# Altium PCB top_LM358.PcbDoc (part 1 of 6) (continued)
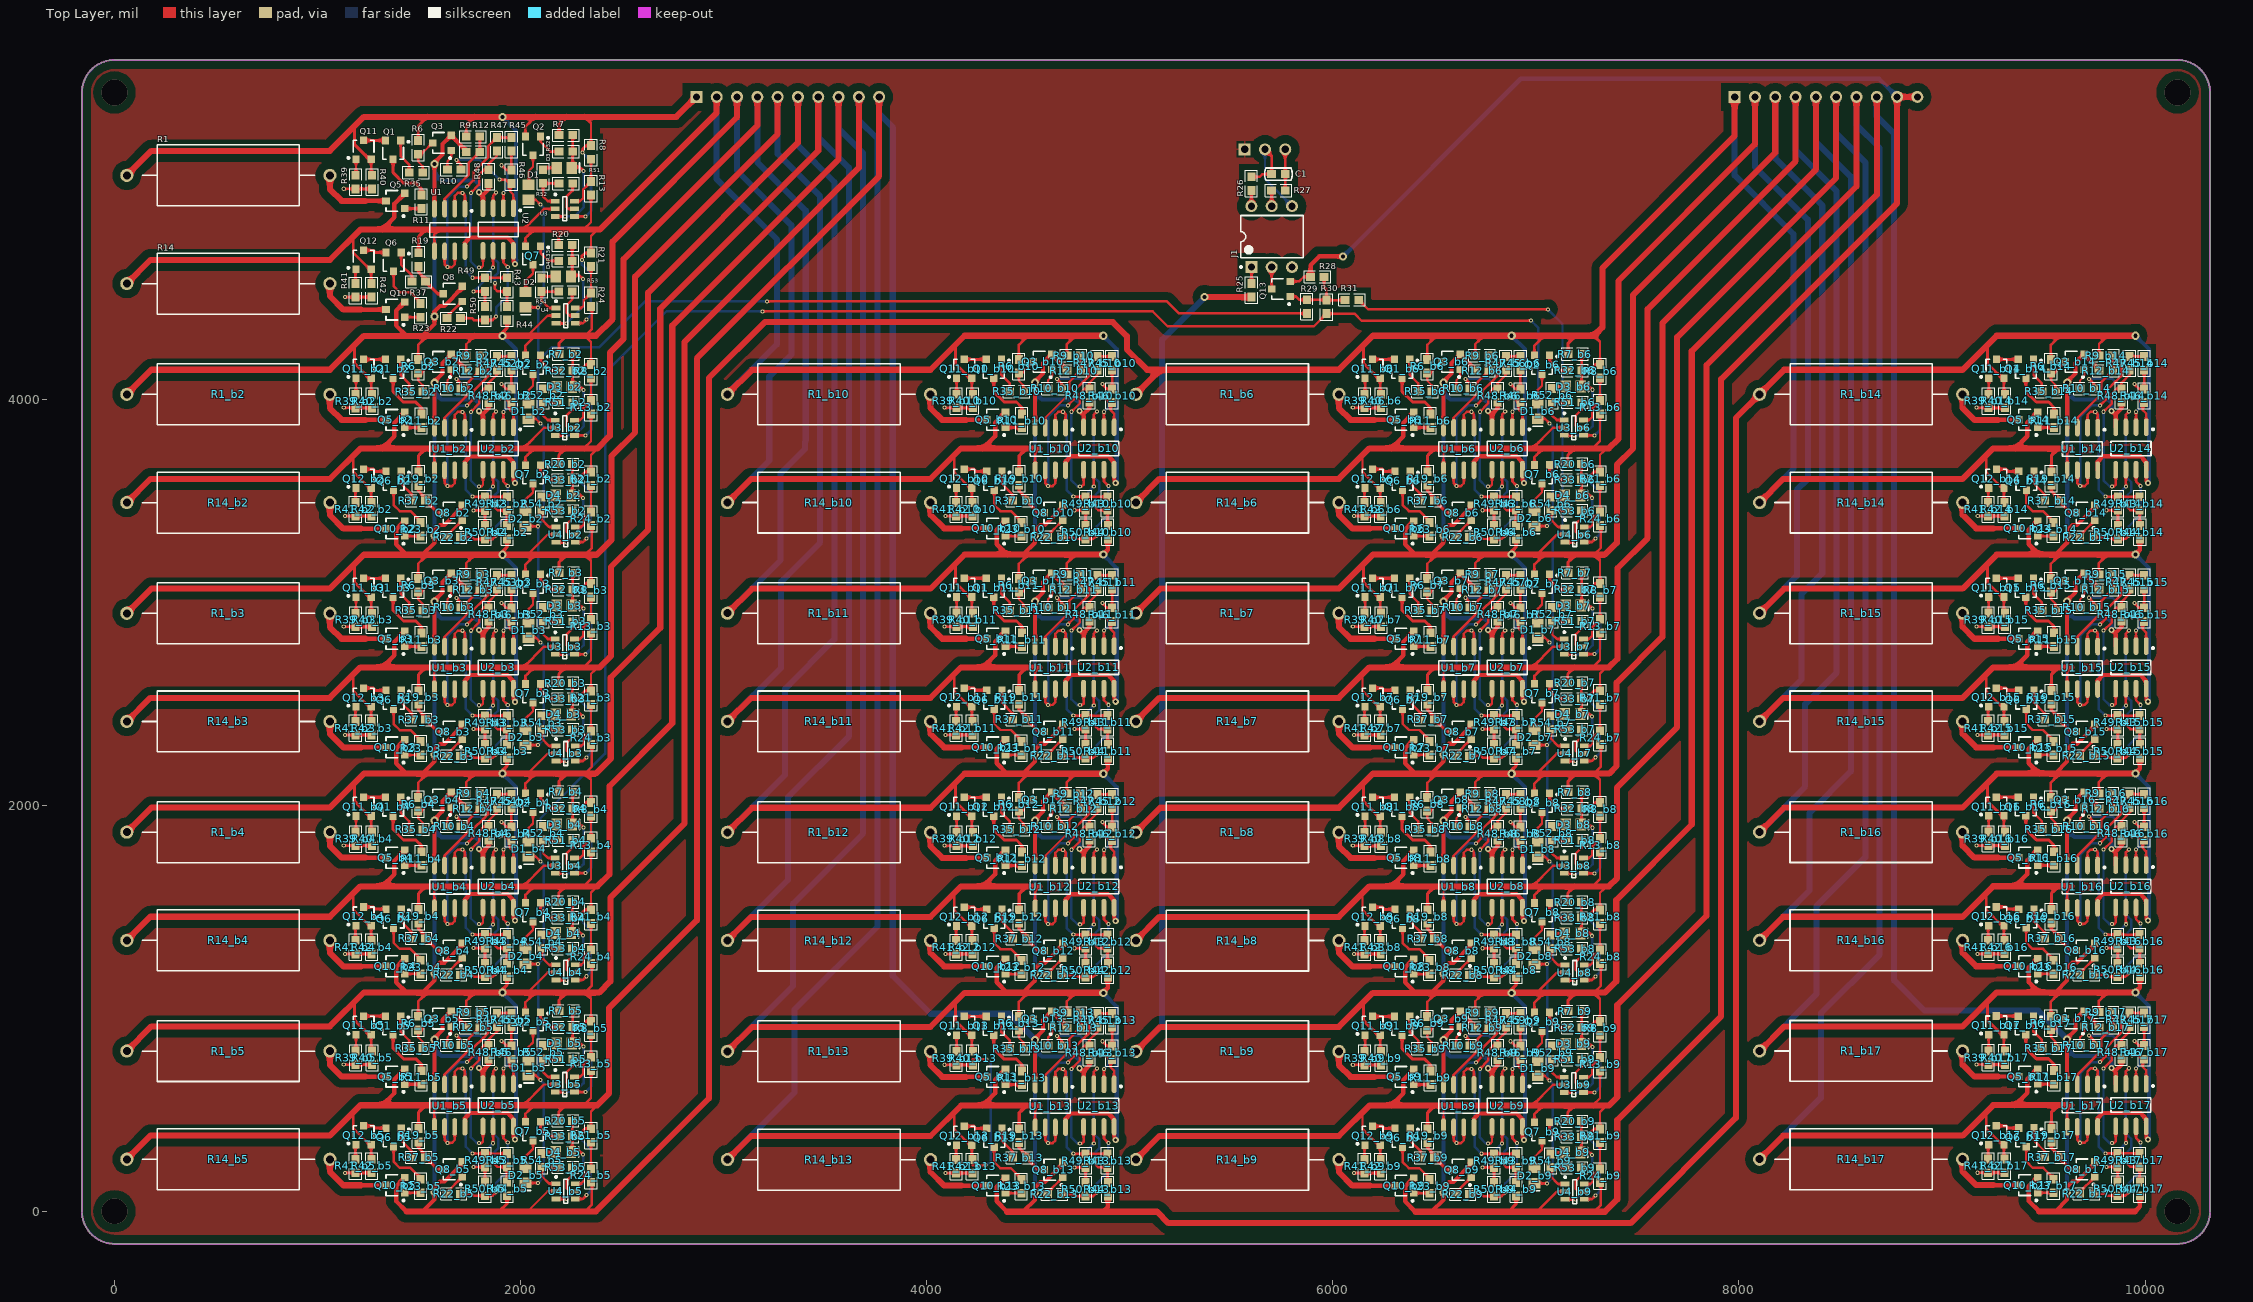
[diagram p0: Top Layer view]
## Components (designator, comment, footprint, x,y, rotation, side; value= is the part's Value field where it differs from the comment) (continued)
Q6 "MMBT3906" SOT23-3 1374.69,4675.86 r180 top
Q6_b2 "MMBT3906" SOT23-3 1374.69,3597.54 r180 top (schematic designator Q6)
Q6_b3 "MMBT3906" SOT23-3 1374.69,2519.54 r180 top (schematic designator Q6)
Q6_b4 "MMBT3906" SOT23-3 1374.69,1441.54 r180 top (schematic designator Q6)
Q6_b5 "MMBT3906" SOT23-3 1374.69,363.54 r180 top (schematic designator Q6)
Q6_b6 "MMBT3906" SOT23-3 6343.94,3597.86 r180 top (schematic designator Q6)
Q6_b7 "MMBT3906" SOT23-3 6343.94,2519.86 r180 top (schematic designator Q6)
Q6_b8 "MMBT3906" SOT23-3 6343.94,1440.86 r180 top (schematic designator Q6)
Q6_b9 "MMBT3906" SOT23-3 6343.94,361.86 r180 top (schematic designator Q6)
Q6_b10 "MMBT3906" SOT23-3 4332.69,3597.86 r180 top (schematic designator Q6)
Q6_b11 "MMBT3906" SOT23-3 4332.69,2519.86 r180 top (schematic designator Q6)
Q6_b12 "MMBT3906" SOT23-3 4332.69,1440.86 r180 top (schematic designator Q6)
Q6_b13 "MMBT3906" SOT23-3 4332.69,361.86 r180 top (schematic designator Q6)
Q6_b14 "MMBT3906" SOT23-3 9415.69,3597.86 r180 top (schematic designator Q6)
Q6_b15 "MMBT3906" SOT23-3 9415.44,2519.86 r180 top (schematic designator Q6)
Q6_b16 "MMBT3906" SOT23-3 9415.44,1441.86 r180 top (schematic designator Q6)
Q6_b17 "MMBT3906" SOT23-3 9415.44,363.86 r180 top (schematic designator Q6)
Q7 "MMBT5400" SOT23-3 2061,4707 r180 top
Q7_b2 "MMBT5400" SOT23-3 2061,3628.68 r180 top (schematic designator Q7)
Q7_b3 "MMBT5400" SOT23-3 2061,2550.68 r180 top (schematic designator Q7)
Q7_b4 "MMBT5400" SOT23-3 2061,1472.68 r180 top (schematic designator Q7)
Q7_b5 "MMBT5400" SOT23-3 2061,394.68 r180 top (schematic designator Q7)
Q7_b6 "MMBT5400" SOT23-3 7030.25,3629 r180 top (schematic designator Q7)
Q7_b7 "MMBT5400" SOT23-3 7030.25,2551 r180 top (schematic designator Q7)
Q7_b8 "MMBT5400" SOT23-3 7030.25,1472 r180 top (schematic designator Q7)
Q7_b9 "MMBT5400" SOT23-3 7030.25,393 r180 top (schematic designator Q7)
Q8 "MMBT3904" SOT23-3 1665.82,4518.58 r90 top
Q8_b2 "MMBT3904" SOT23-3 1665.82,3440.26 r90 top (schematic designator Q8)
Q8_b3 "MMBT3904" SOT23-3 1665.82,2362.26 r90 top (schematic designator Q8)
Q8_b4 "MMBT3904" SOT23-3 1665.82,1284.26 r90 top (schematic designator Q8)
Q8_b5 "MMBT3904" SOT23-3 1665.82,206.26 r90 top (schematic designator Q8)
Q8_b6 "MMBT3904" SOT23-3 6635.08,3440.58 r90 top (schematic designator Q8)
Q8_b7 "MMBT3904" SOT23-3 6635.08,2362.58 r90 top (schematic designator Q8)
Q8_b8 "MMBT3904" SOT23-3 6635.08,1283.58 r90 top (schematic designator Q8)
Q8_b9 "MMBT3904" SOT23-3 6635.08,204.58 r90 top (schematic designator Q8)
Q8_b10 "MMBT3904" SOT23-3 4623.82,3440.58 r90 top (schematic designator Q8)
Q8_b11 "MMBT3904" SOT23-3 4623.82,2362.58 r90 top (schematic designator Q8)
Q8_b12 "MMBT3904" SOT23-3 4623.82,1283.58 r90 top (schematic designator Q8)
Q8_b13 "MMBT3904" SOT23-3 4623.82,204.58 r90 top (schematic designator Q8)
Q8_b14 "MMBT3904" SOT23-3 9706.82,3440.58 r90 top (schematic designator Q8)
Q8_b15 "MMBT3904" SOT23-3 9706.57,2362.58 r90 top (schematic designator Q8)
Q8_b16 "MMBT3904" SOT23-3 9706.57,1284.58 r90 top (schematic designator Q8)
Q8_b17 "MMBT3904" SOT23-3 9706.57,206.58 r90 top (schematic designator Q8)
Q10 "MOSFET-N" SOT23-3 1383.69,4440.86 r90 top
Q10_b2 "MOSFET-N" SOT23-3 1383.69,3362.54 r90 top (schematic designator Q10)
Q10_b3 "MOSFET-N" SOT23-3 1383.69,2284.54 r90 top (schematic designator Q10)
Q10_b4 "MOSFET-N" SOT23-3 1383.69,1206.54 r90 top (schematic designator Q10)
Q10_b5 "MOSFET-N" SOT23-3 1383.69,128.54 r90 top (schematic designator Q10)
Q10_b6 "MOSFET-N" SOT23-3 6352.94,3362.86 r90 top (schematic designator Q10)
Q10_b7 "MOSFET-N" SOT23-3 6352.94,2284.86 r90 top (schematic designator Q10)
Q10_b8 "MOSFET-N" SOT23-3 6352.94,1205.86 r90 top (schematic designator Q10)
Q10_b9 "MOSFET-N" SOT23-3 6352.94,126.86 r90 top (schematic designator Q10)
Q10_b10 "MOSFET-N" SOT23-3 4341.69,3362.86 r90 top (schematic designator Q10)
Q10_b11 "MOSFET-N" SOT23-3 4341.69,2284.86 r90 top (schematic designator Q10)
Q10_b12 "MOSFET-N" SOT23-3 4341.69,1205.86 r90 top (schematic designator Q10)
Q10_b13 "MOSFET-N" SOT23-3 4341.69,126.86 r90 top (schematic designator Q10)
Q10_b14 "MOSFET-N" SOT23-3 9424.69,3362.86 r90 top (schematic designator Q10)
Q10_b15 "MOSFET-N" SOT23-3 9424.44,2284.86 r90 top (schematic designator Q10)
Q10_b16 "MOSFET-N" SOT23-3 9424.44,1206.86 r90 top (schematic designator Q10)
Q10_b17 "MOSFET-N" SOT23-3 9424.44,128.86 r90 top (schematic designator Q10)
Q11 "MMBT3906" SOT23-3 1226.82,5227.58 r0 top
Q11_b2 "MMBT3906" SOT23-3 1226.82,4149.26 r0 top (schematic designator Q11)
Q11_b3 "MMBT3906" SOT23-3 1226.82,3071.26 r0 top (schematic designator Q11)
Q11_b4 "MMBT3906" SOT23-3 1226.82,1993.26 r0 top (schematic designator Q11)
Q11_b5 "MMBT3906" SOT23-3 1226.82,915.26 r0 top (schematic designator Q11)
Q11_b6 "MMBT3906" SOT23-3 6196.08,4149.58 r0 top (schematic designator Q11)
Q11_b7 "MMBT3906" SOT23-3 6196.08,3071.58 r0 top (schematic designator Q11)
Q11_b8 "MMBT3906" SOT23-3 6196.08,1992.58 r0 top (schematic designator Q11)
Q11_b9 "MMBT3906" SOT23-3 6196.08,913.58 r0 top (schematic designator Q11)
Q11_b10 "MMBT3906" SOT23-3 4184.82,4149.58 r0 top (schematic designator Q11)
Q11_b11 "MMBT3906" SOT23-3 4184.82,3071.58 r0 top (schematic designator Q11)
Q11_b12 "MMBT3906" SOT23-3 4184.82,1992.58 r0 top (schematic designator Q11)
Q11_b13 "MMBT3906" SOT23-3 4184.82,913.58 r0 top (schematic designator Q11)
Q11_b14 "MMBT3906" SOT23-3 9267.82,4149.58 r0 top (schematic designator Q11)
Q11_b15 "MMBT3906" SOT23-3 9267.57,3071.58 r0 top (schematic designator Q11)
Q11_b16 "MMBT3906" SOT23-3 9267.57,1993.58 r0 top (schematic designator Q11)
Q11_b17 "MMBT3906" SOT23-3 9267.57,915.58 r0 top (schematic designator Q11)
Q12 "MMBT3906" SOT23-3 1226.82,4686.58 r0 top
Q12_b2 "MMBT3906" SOT23-3 1226.82,3608.26 r0 top (schematic designator Q12)
Q12_b3 "MMBT3906" SOT23-3 1226.82,2530.26 r0 top (schematic designator Q12)
Q12_b4 "MMBT3906" SOT23-3 1226.82,1452.26 r0 top (schematic designator Q12)
Q12_b5 "MMBT3906" SOT23-3 1226.82,374.26 r0 top (schematic designator Q12)
Q12_b6 "MMBT3906" SOT23-3 6196.08,3608.58 r0 top (schematic designator Q12)
Q12_b7 "MMBT3906" SOT23-3 6196.08,2530.58 r0 top (schematic designator Q12)
Q12_b8 "MMBT3906" SOT23-3 6196.08,1451.58 r0 top (schematic designator Q12)
Q12_b9 "MMBT3906" SOT23-3 6196.08,372.58 r0 top (schematic designator Q12)
Q12_b10 "MMBT3906" SOT23-3 4184.82,3608.58 r0 top (schematic designator Q12)
Q12_b11 "MMBT3906" SOT23-3 4184.82,2530.58 r0 top (schematic designator Q12)
Q12_b12 "MMBT3906" SOT23-3 4184.82,1451.58 r0 top (schematic designator Q12)
Q12_b13 "MMBT3906" SOT23-3 4184.82,372.58 r0 top (schematic designator Q12)
Q12_b14 "MMBT3906" SOT23-3 9267.82,3608.58 r0 top (schematic designator Q12)
Q12_b15 "MMBT3906" SOT23-3 9267.57,2530.58 r0 top (schematic designator Q12)
Q12_b16 "MMBT3906" SOT23-3 9267.57,1452.58 r0 top (schematic designator Q12)
Q12_b17 "MMBT3906" SOT23-3 9267.57,374.58 r0 top (schematic designator Q12)
Q13 "NPN" SOT23-3 5744.82,4542.32 r90 top
R1 "Res1" AXIAL-1.0 560.82,5101.58 r180 top
R1_b2 "Res1" AXIAL-1.0 560.82,4023.26 r180 top (schematic designator R1)
R1_b3 "Res1" AXIAL-1.0 560.82,2945.26 r180 top (schematic designator R1)
R1_b4 "Res1" AXIAL-1.0 560.82,1867.26 r180 top (schematic designator R1)
R1_b5 "Res1" AXIAL-1.0 560.82,789.26 r180 top (schematic designator R1)
R1_b6 "Res1" AXIAL-1.0 5530.08,4023.58 r180 top (schematic designator R1)
R1_b7 "Res1" AXIAL-1.0 5530.08,2945.58 r180 top (schematic designator R1)
R1_b8 "Res1" AXIAL-1.0 5530.08,1866.58 r180 top (schematic designator R1)
R1_b9 "Res1" AXIAL-1.0 5530.08,787.58 r180 top (schematic designator R1)
R1_b10 "Res1" AXIAL-1.0 3518.82,4023.58 r180 top (schematic designator R1)
R1_b11 "Res1" AXIAL-1.0 3518.82,2945.58 r180 top (schematic designator R1)
R1_b12 "Res1" AXIAL-1.0 3518.82,1866.58 r180 top (schematic designator R1)
R1_b13 "Res1" AXIAL-1.0 3518.82,787.58 r180 top (schematic designator R1)
R1_b14 "Res1" AXIAL-1.0 8601.82,4023.58 r180 top (schematic designator R1)
R1_b15 "Res1" AXIAL-1.0 8601.57,2945.58 r180 top (schematic designator R1)
R1_b16 "Res1" AXIAL-1.0 8601.57,1867.58 r180 top (schematic designator R1)
R1_b17 "Res1" AXIAL-1.0 8601.57,789.58 r180 top (schematic designator R1)
R6 "Res1" 0603-1 1495.69,5239.32 r90 top
R6_b2 "Res1" 0603-1 1495.69,4161 r90 top (schematic designator R6)
R6_b3 "Res1" 0603-1 1495.69,3083 r90 top (schematic designator R6)
R6_b4 "Res1" 0603-1 1495.69,2005 r90 top (schematic designator R6)
R6_b5 "Res1" 0603-1 1495.69,927 r90 top (schematic designator R6)
R6_b6 "Res1" 0603-1 6464.94,4161.32 r90 top (schematic designator R6)
R6_b7 "Res1" 0603-1 6464.94,3083.32 r90 top (schematic designator R6)
R6_b8 "Res1" 0603-1 6464.94,2004.32 r90 top (schematic designator R6)
R6_b9 "Res1" 0603-1 6464.94,925.32 r90 top (schematic designator R6)
R6_b10 "Res1" 0603-1 4453.69,4161.32 r90 top (schematic designator R6)
R6_b11 "Res1" 0603-1 4453.69,3083.32 r90 top (schematic designator R6)
R6_b12 "Res1" 0603-1 4453.69,2004.32 r90 top (schematic designator R6)
R6_b13 "Res1" 0603-1 4453.69,925.32 r90 top (schematic designator R6)
R6_b14 "Res1" 0603-1 9536.69,4161.32 r90 top (schematic designator R6)
R6_b15 "Res1" 0603-1 9536.44,3083.32 r90 top (schematic designator R6)
R6_b16 "Res1" 0603-1 9536.44,2005.32 r90 top (schematic designator R6)
R6_b17 "Res1" 0603-1 9536.44,927.32 r90 top (schematic designator R6)
R7 "Res1" 0603-1 2223,5300 r180 top
R7_b2 "Res1" 0603-1 2223,4221.68 r180 top (schematic designator R7)
R7_b3 "Res1" 0603-1 2223,3143.68 r180 top (schematic designator R7)
R7_b4 "Res1" 0603-1 2223,2065.68 r180 top (schematic designator R7)
R7_b5 "Res1" 0603-1 2223,987.68 r180 top (schematic designator R7)
R7_b6 "Res1" 0603-1 7192.25,4222 r180 top (schematic designator R7)
R7_b7 "Res1" 0603-1 7192.25,3144 r180 top (schematic designator R7)
R7_b8 "Res1" 0603-1 7192.25,2065 r180 top (schematic designator R7)
R7_b9 "Res1" 0603-1 7192.25,986 r180 top (schematic designator R7)
R8 "Res1" 0603-1 2346.69,5214.86 r90 top
R8_b2 "Res1" 0603-1 2346.69,4136.54 r90 top (schematic designator R8)
R8_b3 "Res1" 0603-1 2346.69,3058.54 r90 top (schematic designator R8)
R8_b4 "Res1" 0603-1 2346.69,1980.54 r90 top (schematic designator R8)
R8_b5 "Res1" 0603-1 2346.69,902.54 r90 top (schematic designator R8)
R8_b6 "Res1" 0603-1 7315.94,4136.86 r90 top (schematic designator R8)
R8_b7 "Res1" 0603-1 7315.94,3058.86 r90 top (schematic designator R8)
R8_b8 "Res1" 0603-1 7315.94,1979.86 r90 top (schematic designator R8)
R8_b9 "Res1" 0603-1 7315.94,900.86 r90 top (schematic designator R8)
R9 "Res1" 0603-1 1765.82,5292.58 r180 top
R9_b2 "Res1" 0603-1 1765.82,4214.26 r180 top (schematic designator R9)
R9_b3 "Res1" 0603-1 1765.82,3136.26 r180 top (schematic designator R9)
R9_b4 "Res1" 0603-1 1765.82,2058.26 r180 top (schematic designator R9)
R9_b5 "Res1" 0603-1 1765.82,980.26 r180 top (schematic designator R9)
R9_b6 "Res1" 0603-1 6735.08,4214.58 r180 top (schematic designator R9)
R9_b7 "Res1" 0603-1 6735.08,3136.58 r180 top (schematic designator R9)
R9_b8 "Res1" 0603-1 6735.08,2057.58 r180 top (schematic designator R9)
R9_b9 "Res1" 0603-1 6735.08,978.58 r180 top (schematic designator R9)
R9_b10 "Res1" 0603-1 4723.82,4214.58 r180 top (schematic designator R9)
R9_b11 "Res1" 0603-1 4723.82,3136.58 r180 top (schematic designator R9)
R9_b12 "Res1" 0603-1 4723.82,2057.58 r180 top (schematic designator R9)
R9_b13 "Res1" 0603-1 4723.82,978.58 r180 top (schematic designator R9)
R9_b14 "Res1" 0603-1 9806.82,4214.58 r180 top (schematic designator R9)
R9_b15 "Res1" 0603-1 9806.57,3136.58 r180 top (schematic designator R9)
R9_b16 "Res1" 0603-1 9806.57,2058.58 r180 top (schematic designator R9)
R9_b17 "Res1" 0603-1 9806.57,980.58 r180 top (schematic designator R9)
R10 "Res1" 0603-1 1672.82,5130.58 r0 top
R10_b2 "Res1" 0603-1 1672.82,4052.26 r0 top (schematic designator R10)
R10_b3 "Res1" 0603-1 1672.82,2974.26 r0 top (schematic designator R10)
R10_b4 "Res1" 0603-1 1672.82,1896.26 r0 top (schematic designator R10)
R10_b5 "Res1" 0603-1 1672.82,818.26 r0 top (schematic designator R10)
R10_b6 "Res1" 0603-1 6642.08,4052.58 r0 top (schematic designator R10)
R10_b7 "Res1" 0603-1 6642.08,2974.58 r0 top (schematic designator R10)
R10_b8 "Res1" 0603-1 6642.08,1895.58 r0 top (schematic designator R10)
R10_b9 "Res1" 0603-1 6642.08,816.58 r0 top (schematic designator R10)
R10_b10 "Res1" 0603-1 4630.82,4052.58 r0 top (schematic designator R10)
R10_b11 "Res1" 0603-1 4630.82,2974.58 r0 top (schematic designator R10)
R10_b12 "Res1" 0603-1 4630.82,1895.58 r0 top (schematic designator R10)
R10_b13 "Res1" 0603-1 4630.82,816.58 r0 top (schematic designator R10)
R10_b14 "Res1" 0603-1 9713.82,4052.58 r0 top (schematic designator R10)
R10_b15 "Res1" 0603-1 9713.57,2974.58 r0 top (schematic designator R10)
R10_b16 "Res1" 0603-1 9713.57,1896.58 r0 top (schematic designator R10)
R10_b17 "Res1" 0603-1 9713.57,818.58 r0 top (schematic designator R10)
R11 "Res1" 0603-1 1510.82,4971.58 r90 top
R11_b2 "Res1" 0603-1 1510.82,3893.26 r90 top (schematic designator R11)
R11_b3 "Res1" 0603-1 1510.82,2815.26 r90 top (schematic designator R11)
R11_b4 "Res1" 0603-1 1510.82,1737.26 r90 top (schematic designator R11)
R11_b5 "Res1" 0603-1 1510.82,659.26 r90 top (schematic designator R11)
R11_b6 "Res1" 0603-1 6480.08,3893.58 r90 top (schematic designator R11)
R11_b7 "Res1" 0603-1 6480.08,2815.58 r90 top (schematic designator R11)
R11_b8 "Res1" 0603-1 6480.08,1736.58 r90 top (schematic designator R11)
R11_b9 "Res1" 0603-1 6480.08,657.58 r90 top (schematic designator R11)
R11_b10 "Res1" 0603-1 4468.82,3893.58 r90 top (schematic designator R11)
R11_b11 "Res1" 0603-1 4468.82,2815.58 r90 top (schematic designator R11)
R11_b12 "Res1" 0603-1 4468.82,1736.58 r90 top (schematic designator R11)
R11_b13 "Res1" 0603-1 4468.82,657.58 r90 top (schematic designator R11)
R11_b14 "Res1" 0603-1 9551.82,3893.58 r90 top (schematic designator R11)
R11_b15 "Res1" 0603-1 9551.57,2815.58 r90 top (schematic designator R11)
R11_b16 "Res1" 0603-1 9551.57,1737.58 r90 top (schematic designator R11)
R11_b17 "Res1" 0603-1 9551.57,659.58 r90 top (schematic designator R11)
R12 "Res1" 0603-1 1765.82,5217.58 r0 top
R12_b2 "Res1" 0603-1 1765.82,4139.26 r0 top (schematic designator R12)
R12_b3 "Res1" 0603-1 1765.82,3061.26 r0 top (schematic designator R12)
R12_b4 "Res1" 0603-1 1765.82,1983.26 r0 top (schematic designator R12)
R12_b5 "Res1" 0603-1 1765.82,905.26 r0 top (schematic designator R12)
R12_b6 "Res1" 0603-1 6735.08,4139.58 r0 top (schematic designator R12)
R12_b7 "Res1" 0603-1 6735.08,3061.58 r0 top (schematic designator R12)
R12_b8 "Res1" 0603-1 6735.08,1982.58 r0 top (schematic designator R12)
R12_b9 "Res1" 0603-1 6735.08,903.58 r0 top (schematic designator R12)
R12_b10 "Res1" 0603-1 4723.82,4139.58 r0 top (schematic designator R12)
R12_b11 "Res1" 0603-1 4723.82,3061.58 r0 top (schematic designator R12)
R12_b12 "Res1" 0603-1 4723.82,1982.58 r0 top (schematic designator R12)
R12_b13 "Res1" 0603-1 4723.82,903.58 r0 top (schematic designator R12)
R12_b14 "Res1" 0603-1 9806.82,4139.58 r0 top (schematic designator R12)
R12_b15 "Res1" 0603-1 9806.57,3061.58 r0 top (schematic designator R12)
R12_b16 "Res1" 0603-1 9806.57,1983.58 r0 top (schematic designator R12)
R12_b17 "Res1" 0603-1 9806.57,905.58 r0 top (schematic designator R12)
R13 "Res1" 0603-1 2346.69,5037.86 r90 top
R13_b2 "Res1" 0603-1 2346.69,3959.54 r90 top (schematic designator R13)
R13_b3 "Res1" 0603-1 2346.69,2881.54 r90 top (schematic designator R13)
R13_b4 "Res1" 0603-1 2346.69,1803.54 r90 top (schematic designator R13)
R13_b5 "Res1" 0603-1 2346.69,725.54 r90 top (schematic designator R13)
R13_b6 "Res1" 0603-1 7315.94,3959.86 r90 top (schematic designator R13)
R13_b7 "Res1" 0603-1 7315.94,2881.86 r90 top (schematic designator R13)
R13_b8 "Res1" 0603-1 7315.94,1802.86 r90 top (schematic designator R13)
R13_b9 "Res1" 0603-1 7315.94,723.86 r90 top (schematic designator R13)
R14 "Res1" AXIAL-1.0 560.82,4568.58 r180 top
R14_b2 "Res1" AXIAL-1.0 560.82,3490.26 r180 top (schematic designator R14)
R14_b3 "Res1" AXIAL-1.0 560.82,2412.26 r180 top (schematic designator R14)
R14_b4 "Res1" AXIAL-1.0 560.82,1334.26 r180 top (schematic designator R14)
R14_b5 "Res1" AXIAL-1.0 560.82,256.26 r180 top (schematic designator R14)
R14_b6 "Res1" AXIAL-1.0 5530.08,3490.58 r180 top (schematic designator R14)
R14_b7 "Res1" AXIAL-1.0 5530.08,2412.58 r180 top (schematic designator R14)
R14_b8 "Res1" AXIAL-1.0 5530.08,1333.58 r180 top (schematic designator R14)
R14_b9 "Res1" AXIAL-1.0 5530.08,254.58 r180 top (schematic designator R14)
R14_b10 "Res1" AXIAL-1.0 3518.82,3490.58 r180 top (schematic designator R14)
R14_b11 "Res1" AXIAL-1.0 3518.82,2412.58 r180 top (schematic designator R14)
R14_b12 "Res1" AXIAL-1.0 3518.82,1333.58 r180 top (schematic designator R14)
R14_b13 "Res1" AXIAL-1.0 3518.82,254.58 r180 top (schematic designator R14)
R14_b14 "Res1" AXIAL-1.0 8601.82,3490.58 r180 top (schematic designator R14)
R14_b15 "Res1" AXIAL-1.0 8601.57,2412.58 r180 top (schematic designator R14)
R14_b16 "Res1" AXIAL-1.0 8601.57,1334.58 r180 top (schematic designator R14)
R14_b17 "Res1" AXIAL-1.0 8601.57,256.58 r180 top (schematic designator R14)
R19 "Res1" 0603-1 1497.69,4686.86 r90 top
R19_b2 "Res1" 0603-1 1497.69,3608.54 r90 top (schematic designator R19)
R19_b3 "Res1" 0603-1 1497.69,2530.54 r90 top (schematic designator R19)
R19_b4 "Res1" 0603-1 1497.69,1452.54 r90 top (schematic designator R19)
R19_b5 "Res1" 0603-1 1497.69,374.54 r90 top (schematic designator R19)
R19_b6 "Res1" 0603-1 6466.94,3608.86 r90 top (schematic designator R19)
R19_b7 "Res1" 0603-1 6466.94,2530.86 r90 top (schematic designator R19)
R19_b8 "Res1" 0603-1 6466.94,1451.86 r90 top (schematic designator R19)
R19_b9 "Res1" 0603-1 6466.94,372.86 r90 top (schematic designator R19)
R19_b10 "Res1" 0603-1 4455.69,3608.86 r90 top (schematic designator R19)
R19_b11 "Res1" 0603-1 4455.69,2530.86 r90 top (schematic designator R19)
R19_b12 "Res1" 0603-1 4455.69,1451.86 r90 top (schematic designator R19)
R19_b13 "Res1" 0603-1 4455.69,372.86 r90 top (schematic designator R19)
R19_b14 "Res1" 0603-1 9538.69,3608.86 r90 top (schematic designator R19)
R19_b15 "Res1" 0603-1 9538.44,2530.86 r90 top (schematic designator R19)
R19_b16 "Res1" 0603-1 9538.44,1452.86 r90 top (schematic designator R19)
R19_b17 "Res1" 0603-1 9538.44,374.86 r90 top (schematic designator R19)
R20 "Res1" 0603-1 2221,4758 r180 top
R20_b2 "Res1" 0603-1 2221,3679.68 r180 top (schematic designator R20)
R20_b3 "Res1" 0603-1 2221,2601.68 r180 top (schematic designator R20)
R20_b4 "Res1" 0603-1 2221,1523.68 r180 top (schematic designator R20)
R20_b5 "Res1" 0603-1 2221,445.68 r180 top (schematic designator R20)
R20_b6 "Res1" 0603-1 7190.25,3680 r180 top (schematic designator R20)
R20_b7 "Res1" 0603-1 7190.25,2602 r180 top (schematic designator R20)
R20_b8 "Res1" 0603-1 7190.25,1523 r180 top (schematic designator R20)
R20_b9 "Res1" 0603-1 7190.25,444 r180 top (schematic designator R20)
R21 "Res1" 0603-1 2346.69,4685.86 r90 top
R21_b2 "Res1" 0603-1 2346.69,3607.54 r90 top (schematic designator R21)
R21_b3 "Res1" 0603-1 2346.69,2529.54 r90 top (schematic designator R21)
R21_b4 "Res1" 0603-1 2346.69,1451.54 r90 top (schematic designator R21)
R21_b5 "Res1" 0603-1 2346.69,373.54 r90 top (schematic designator R21)
R21_b6 "Res1" 0603-1 7315.94,3607.86 r90 top (schematic designator R21)
R21_b7 "Res1" 0603-1 7315.94,2529.86 r90 top (schematic designator R21)
R21_b8 "Res1" 0603-1 7315.94,1450.86 r90 top (schematic designator R21)
R21_b9 "Res1" 0603-1 7315.94,371.86 r90 top (schematic designator R21)
R22 "Res1" 0603-1 1670.82,4398.58 r180 top
R22_b2 "Res1" 0603-1 1670.82,3320.26 r180 top (schematic designator R22)
R22_b3 "Res1" 0603-1 1670.82,2242.26 r180 top (schematic designator R22)
R22_b4 "Res1" 0603-1 1670.82,1164.26 r180 top (schematic designator R22)
R22_b5 "Res1" 0603-1 1670.82,86.26 r180 top (schematic designator R22)
R22_b6 "Res1" 0603-1 6640.08,3320.58 r180 top (schematic designator R22)
R22_b7 "Res1" 0603-1 6640.08,2242.58 r180 top (schematic designator R22)
R22_b8 "Res1" 0603-1 6640.08,1163.58 r180 top (schematic designator R22)
R22_b9 "Res1" 0603-1 6640.08,84.58 r180 top (schematic designator R22)
R22_b10 "Res1" 0603-1 4628.82,3320.58 r180 top (schematic designator R22)
R22_b11 "Res1" 0603-1 4628.82,2242.58 r180 top (schematic designator R22)
R22_b12 "Res1" 0603-1 4628.82,1163.58 r180 top (schematic designator R22)
R22_b13 "Res1" 0603-1 4628.82,84.58 r180 top (schematic designator R22)
R22_b14 "Res1" 0603-1 9711.82,3320.58 r180 top (schematic designator R22)
R22_b15 "Res1" 0603-1 9711.57,2242.58 r180 top (schematic designator R22)
R22_b16 "Res1" 0603-1 9711.57,1164.58 r180 top (schematic designator R22)
R22_b17 "Res1" 0603-1 9711.57,86.58 r180 top (schematic designator R22)
R23 "Res1" 0603-1 1508.08,4436.86 r90 top
R23_b2 "Res1" 0603-1 1508.08,3358.54 r90 top (schematic designator R23)
R23_b3 "Res1" 0603-1 1508.08,2280.54 r90 top (schematic designator R23)
R23_b4 "Res1" 0603-1 1508.08,1202.54 r90 top (schematic designator R23)
R23_b5 "Res1" 0603-1 1508.08,124.54 r90 top (schematic designator R23)
R23_b6 "Res1" 0603-1 6477.33,3358.86 r90 top (schematic designator R23)
R23_b7 "Res1" 0603-1 6477.33,2280.86 r90 top (schematic designator R23)
R23_b8 "Res1" 0603-1 6477.33,1201.86 r90 top (schematic designator R23)
R23_b9 "Res1" 0603-1 6477.33,122.86 r90 top (schematic designator R23)
R23_b10 "Res1" 0603-1 4466.08,3358.86 r90 top (schematic designator R23)
R23_b11 "Res1" 0603-1 4466.08,2280.86 r90 top (schematic designator R23)
R23_b12 "Res1" 0603-1 4466.08,1201.86 r90 top (schematic designator R23)
R23_b13 "Res1" 0603-1 4466.08,122.86 r90 top (schematic designator R23)
R23_b14 "Res1" 0603-1 9549.08,3358.86 r90 top (schematic designator R23)
R23_b15 "Res1" 0603-1 9548.82,2280.86 r90 top (schematic designator R23)
R23_b16 "Res1" 0603-1 9548.82,1202.86 r90 top (schematic designator R23)
R23_b17 "Res1" 0603-1 9548.82,124.86 r90 top (schematic designator R23)
R24 "Res1" 0603-1 2346.69,4488.86 r90 top
R24_b2 "Res1" 0603-1 2346.69,3410.54 r90 top (schematic designator R24)
R24_b3 "Res1" 0603-1 2346.69,2332.54 r90 top (schematic designator R24)
R24_b4 "Res1" 0603-1 2346.69,1254.54 r90 top (schematic designator R24)
R24_b5 "Res1" 0603-1 2346.69,176.54 r90 top (schematic designator R24)
R24_b6 "Res1" 0603-1 7315.94,3410.86 r90 top (schematic designator R24)
R24_b7 "Res1" 0603-1 7315.94,2332.86 r90 top (schematic designator R24)
R24_b8 "Res1" 0603-1 7315.94,1253.86 r90 top (schematic designator R24)
R24_b9 "Res1" 0603-1 7315.94,174.86 r90 top (schematic designator R24)
R25 "Res1" 0603-1 5599.82,4536.32 r90 top
R26 "Res1" 0603-1 5599,5061 r90 top
R27 "Res1" 0603-1 5732,5027 r0 top
R28 "Res1" 0603-1 5923.82,4602.32 r0 top
R29 "Res1" 0603-1 5871.82,4455.32 r90 top
R30 "Res1" 0603-1 5968.82,4454.32 r90 top
R31 "Res1" 0603-1 6094,4489 r180 top
R32 "Res1" 0603-1 2223,5219 r180 top
R32_b2 "Res1" 0603-1 2223,4140.68 r180 top (schematic designator R32)
R32_b3 "Res1" 0603-1 2223,3062.68 r180 top (schematic designator R32)
R32_b4 "Res1" 0603-1 2223,1984.68 r180 top (schematic designator R32)
R32_b5 "Res1" 0603-1 2223,906.68 r180 top (schematic designator R32)
R32_b6 "Res1" 0603-1 7192.25,4141 r180 top (schematic designator R32)
R32_b7 "Res1" 0603-1 7192.25,3063 r180 top (schematic designator R32)
R32_b8 "Res1" 0603-1 7192.25,1984 r180 top (schematic designator R32)
R32_b9 "Res1" 0603-1 7192.25,905 r180 top (schematic designator R32)
R33 "Res1" 0603-1 2221,4681 r180 top
R33_b2 "Res1" 0603-1 2221,3602.68 r180 top (schematic designator R33)
R33_b3 "Res1" 0603-1 2221,2524.68 r180 top (schematic designator R33)
R33_b4 "Res1" 0603-1 2221,1446.68 r180 top (schematic designator R33)
R33_b5 "Res1" 0603-1 2221,368.68 r180 top (schematic designator R33)
R33_b6 "Res1" 0603-1 7190.25,3603 r180 top (schematic designator R33)
R33_b7 "Res1" 0603-1 7190.25,2525 r180 top (schematic designator R33)
R33_b8 "Res1" 0603-1 7190.25,1446 r180 top (schematic designator R33)
R33_b9 "Res1" 0603-1 7190.25,367 r180 top (schematic designator R33)
R35 "Res1" 0603-1 1484.82,5115.58 r180 top
R35_b2 "Res1" 0603-1 1484.82,4037.26 r180 top (schematic designator R35)
R35_b3 "Res1" 0603-1 1484.82,2959.26 r180 top (schematic designator R35)
R35_b4 "Res1" 0603-1 1484.82,1881.26 r180 top (schematic designator R35)
R35_b5 "Res1" 0603-1 1484.82,803.26 r180 top (schematic designator R35)
R35_b6 "Res1" 0603-1 6454.08,4037.58 r180 top (schematic designator R35)
R35_b7 "Res1" 0603-1 6454.08,2959.58 r180 top (schematic designator R35)
R35_b8 "Res1" 0603-1 6454.08,1880.58 r180 top (schematic designator R35)
R35_b9 "Res1" 0603-1 6454.08,801.58 r180 top (schematic designator R35)
R35_b10 "Res1" 0603-1 4442.82,4037.58 r180 top (schematic designator R35)
R35_b11 "Res1" 0603-1 4442.82,2959.58 r180 top (schematic designator R35)
R35_b12 "Res1" 0603-1 4442.82,1880.58 r180 top (schematic designator R35)
R35_b13 "Res1" 0603-1 4442.82,801.58 r180 top (schematic designator R35)
R35_b14 "Res1" 0603-1 9525.82,4037.58 r180 top (schematic designator R35)
R35_b15 "Res1" 0603-1 9525.57,2959.58 r180 top (schematic designator R35)
R35_b16 "Res1" 0603-1 9525.57,1881.58 r180 top (schematic designator R35)
R35_b17 "Res1" 0603-1 9525.57,803.58 r180 top (schematic designator R35)
R37 "Res1" 0603-1 1498.69,4578.32 r180 top
R37_b2 "Res1" 0603-1 1498.69,3500 r180 top (schematic designator R37)
R37_b3 "Res1" 0603-1 1498.69,2422 r180 top (schematic designator R37)
R37_b4 "Res1" 0603-1 1498.69,1344 r180 top (schematic designator R37)
R37_b5 "Res1" 0603-1 1498.69,266 r180 top (schematic designator R37)
R37_b6 "Res1" 0603-1 6467.94,3500.32 r180 top (schematic designator R37)
R37_b7 "Res1" 0603-1 6467.94,2422.32 r180 top (schematic designator R37)
R37_b8 "Res1" 0603-1 6467.94,1343.32 r180 top (schematic designator R37)
R37_b9 "Res1" 0603-1 6467.94,264.32 r180 top (schematic designator R37)
R37_b10 "Res1" 0603-1 4456.69,3500.32 r180 top (schematic designator R37)
R37_b11 "Res1" 0603-1 4456.69,2422.32 r180 top (schematic designator R37)
R37_b12 "Res1" 0603-1 4456.69,1343.32 r180 top (schematic designator R37)
R37_b13 "Res1" 0603-1 4456.69,264.32 r180 top (schematic designator R37)
R37_b14 "Res1" 0603-1 9539.69,3500.32 r180 top (schematic designator R37)
R37_b15 "Res1" 0603-1 9539.44,2422.32 r180 top (schematic designator R37)
R37_b16 "Res1" 0603-1 9539.44,1344.32 r180 top (schematic designator R37)
R37_b17 "Res1" 0603-1 9539.44,266.32 r180 top (schematic designator R37)
R39 "Res1" 0603-1 1187.82,5068.58 r90 top
R39_b2 "Res1" 0603-1 1187.82,3990.26 r90 top (schematic designator R39)
R39_b3 "Res1" 0603-1 1187.82,2912.26 r90 top (schematic designator R39)
R39_b4 "Res1" 0603-1 1187.82,1834.26 r90 top (schematic designator R39)
R39_b5 "Res1" 0603-1 1187.82,756.26 r90 top (schematic designator R39)
R39_b6 "Res1" 0603-1 6157.08,3990.58 r90 top (schematic designator R39)
R39_b7 "Res1" 0603-1 6157.08,2912.58 r90 top (schematic designator R39)
R39_b8 "Res1" 0603-1 6157.08,1833.58 r90 top (schematic designator R39)
R39_b9 "Res1" 0603-1 6157.08,754.58 r90 top (schematic designator R39)
R39_b10 "Res1" 0603-1 4145.82,3990.58 r90 top (schematic designator R39)
R39_b11 "Res1" 0603-1 4145.82,2912.58 r90 top (schematic designator R39)
R39_b12 "Res1" 0603-1 4145.82,1833.58 r90 top (schematic designator R39)
R39_b13 "Res1" 0603-1 4145.82,754.58 r90 top (schematic designator R39)
R39_b14 "Res1" 0603-1 9228.82,3990.58 r90 top (schematic designator R39)
R39_b15 "Res1" 0603-1 9228.57,2912.58 r90 top (schematic designator R39)
R39_b16 "Res1" 0603-1 9228.57,1834.58 r90 top (schematic designator R39)
R39_b17 "Res1" 0603-1 9228.57,756.58 r90 top (schematic designator R39)
R40 "Res1" 0603-1 1268.82,5068.58 r270 top
R40_b2 "Res1" 0603-1 1268.82,3990.26 r270 top (schematic designator R40)
R40_b3 "Res1" 0603-1 1268.82,2912.26 r270 top (schematic designator R40)
R40_b4 "Res1" 0603-1 1268.82,1834.26 r270 top (schematic designator R40)
R40_b5 "Res1" 0603-1 1268.82,756.26 r270 top (schematic designator R40)
R40_b6 "Res1" 0603-1 6238.08,3990.58 r270 top (schematic designator R40)
R40_b7 "Res1" 0603-1 6238.08,2912.58 r270 top (schematic designator R40)
R40_b8 "Res1" 0603-1 6238.08,1833.58 r270 top (schematic designator R40)
R40_b9 "Res1" 0603-1 6238.08,754.58 r270 top (schematic designator R40)
R40_b10 "Res1" 0603-1 4226.82,3990.58 r270 top (schematic designator R40)
R40_b11 "Res1" 0603-1 4226.82,2912.58 r270 top (schematic designator R40)
R40_b12 "Res1" 0603-1 4226.82,1833.58 r270 top (schematic designator R40)
R40_b13 "Res1" 0603-1 4226.82,754.58 r270 top (schematic designator R40)
R40_b14 "Res1" 0603-1 9309.82,3990.58 r270 top (schematic designator R40)
R40_b15 "Res1" 0603-1 9309.57,2912.58 r270 top (schematic designator R40)
R40_b16 "Res1" 0603-1 9309.57,1834.58 r270 top (schematic designator R40)
R40_b17 "Res1" 0603-1 9309.57,756.58 r270 top (schematic designator R40)
R41 "Res1" 0603-1 1186.82,4535.58 r270 top
R41_b2 "Res1" 0603-1 1186.82,3457.26 r270 top (schematic designator R41)
R41_b3 "Res1" 0603-1 1186.82,2379.26 r270 top (schematic designator R41)
R41_b4 "Res1" 0603-1 1186.82,1301.26 r270 top (schematic designator R41)
R41_b5 "Res1" 0603-1 1186.82,223.26 r270 top (schematic designator R41)
R41_b6 "Res1" 0603-1 6156.08,3457.58 r270 top (schematic designator R41)
R41_b7 "Res1" 0603-1 6156.08,2379.58 r270 top (schematic designator R41)
R41_b8 "Res1" 0603-1 6156.08,1300.58 r270 top (schematic designator R41)
R41_b9 "Res1" 0603-1 6156.08,221.58 r270 top (schematic designator R41)
R41_b10 "Res1" 0603-1 4144.82,3457.58 r270 top (schematic designator R41)
R41_b11 "Res1" 0603-1 4144.82,2379.58 r270 top (schematic designator R41)
R41_b12 "Res1" 0603-1 4144.82,1300.58 r270 top (schematic designator R41)
R41_b13 "Res1" 0603-1 4144.82,221.58 r270 top (schematic designator R41)
R41_b14 "Res1" 0603-1 9227.82,3457.58 r270 top (schematic designator R41)
R41_b15 "Res1" 0603-1 9227.57,2379.58 r270 top (schematic designator R41)
R41_b16 "Res1" 0603-1 9227.57,1301.58 r270 top (schematic designator R41)
R41_b17 "Res1" 0603-1 9227.57,223.58 r270 top (schematic designator R41)
R42 "Res1" 0603-1 1266.82,4535.58 r270 top
R42_b2 "Res1" 0603-1 1266.82,3457.26 r270 top (schematic designator R42)
R42_b3 "Res1" 0603-1 1266.82,2379.26 r270 top (schematic designator R42)
R42_b4 "Res1" 0603-1 1266.82,1301.26 r270 top (schematic designator R42)
R42_b5 "Res1" 0603-1 1266.82,223.26 r270 top (schematic designator R42)
R42_b6 "Res1" 0603-1 6236.08,3457.58 r270 top (schematic designator R42)
R42_b7 "Res1" 0603-1 6236.08,2379.58 r270 top (schematic designator R42)
R42_b8 "Res1" 0603-1 6236.08,1300.58 r270 top (schematic designator R42)
R42_b9 "Res1" 0603-1 6236.08,221.58 r270 top (schematic designator R42)
R42_b10 "Res1" 0603-1 4224.82,3457.58 r270 top (schematic designator R42)
R42_b11 "Res1" 0603-1 4224.82,2379.58 r270 top (schematic designator R42)
R42_b12 "Res1" 0603-1 4224.82,1300.58 r270 top (schematic designator R42)
R42_b13 "Res1" 0603-1 4224.82,221.58 r270 top (schematic designator R42)
R42_b14 "Res1" 0603-1 9307.82,3457.58 r270 top (schematic designator R42)
R42_b15 "Res1" 0603-1 9307.57,2379.58 r270 top (schematic designator R42)
R42_b16 "Res1" 0603-1 9307.57,1301.58 r270 top (schematic designator R42)
R42_b17 "Res1" 0603-1 9307.57,223.58 r270 top (schematic designator R42)
R43 "Res1" 0603-1 1932.82,4563.58 r270 top
R43_b2 "Res1" 0603-1 1932.82,3485.26 r270 top (schematic designator R43)
R43_b3 "Res1" 0603-1 1932.82,2407.26 r270 top (schematic designator R43)
R43_b4 "Res1" 0603-1 1932.82,1329.26 r270 top (schematic designator R43)
R43_b5 "Res1" 0603-1 1932.82,251.26 r270 top (schematic designator R43)
R43_b6 "Res1" 0603-1 6902.08,3485.58 r270 top (schematic designator R43)
R43_b7 "Res1" 0603-1 6902.08,2407.58 r270 top (schematic designator R43)
R43_b8 "Res1" 0603-1 6902.08,1328.58 r270 top (schematic designator R43)
R43_b9 "Res1" 0603-1 6902.08,249.58 r270 top (schematic designator R43)
R43_b10 "Res1" 0603-1 4890.82,3485.58 r270 top (schematic designator R43)